# KiCad board Djinn.kicad_pcb (continued)
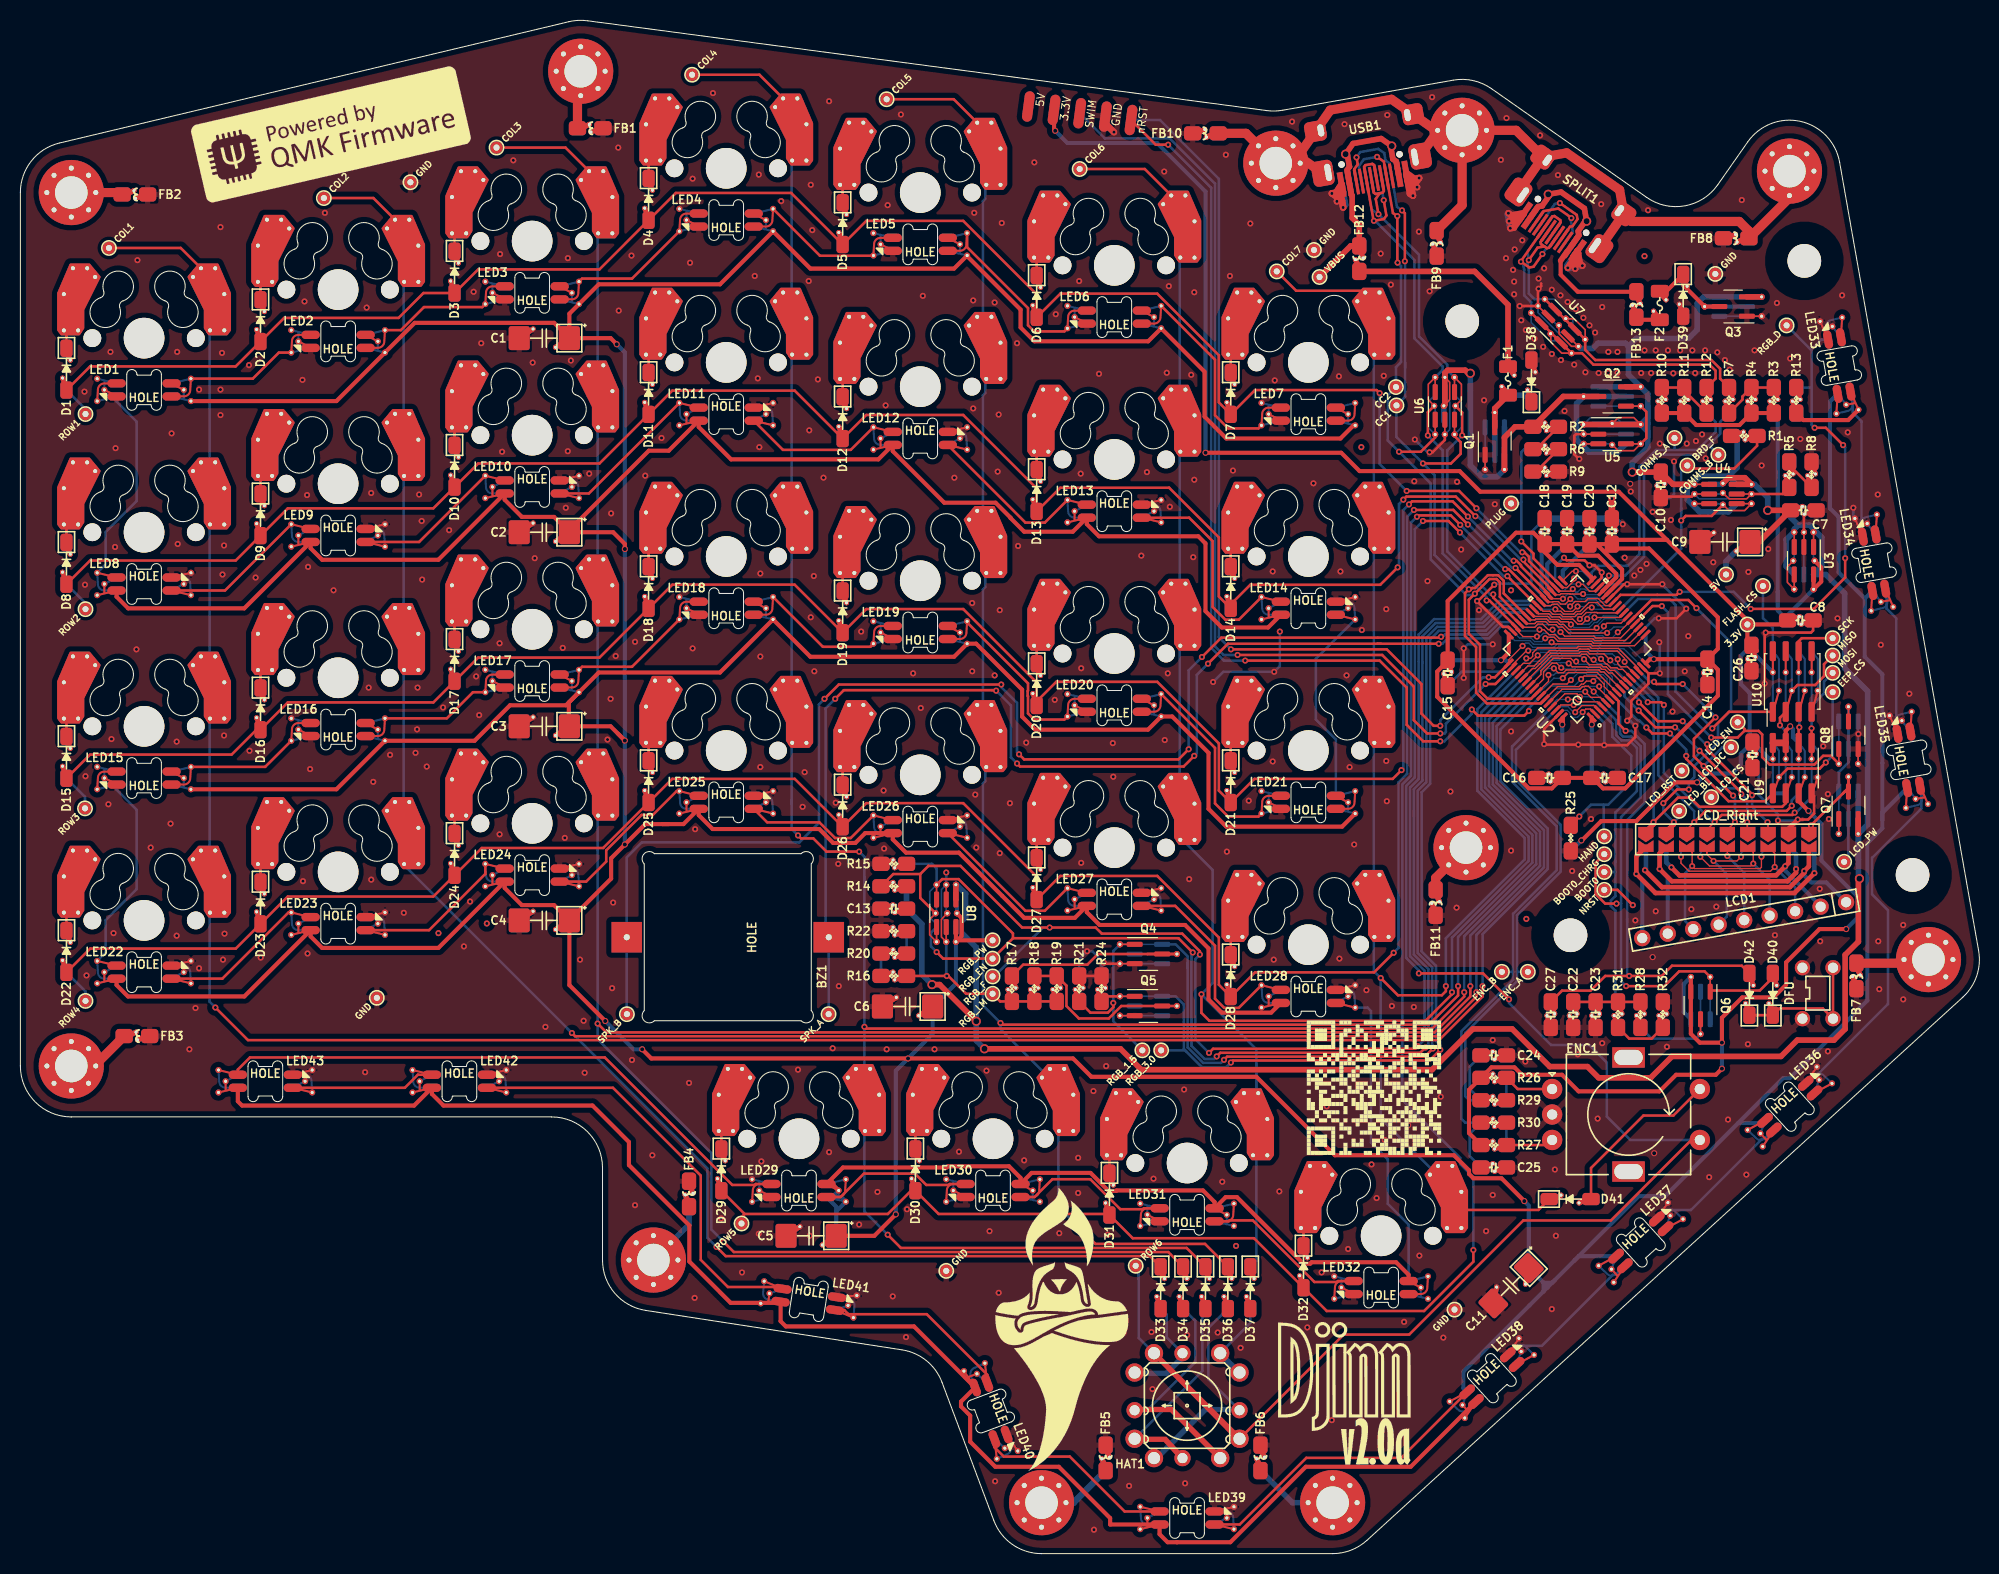
[diagram p0: board, top side]
## Routing (per net, layer and track width the routed paths; a pad name or vN(x,y) marks a point on that pad's centre or on a via; arc(x,y) is an arc through that point) (continued)
/SHIELD5: length 7.6
  Bottom w0.65: FB5.1 103.39,5 DRILL5.1
/SHIELD6: length 8.4
  Bottom w0.55: DRILL6.1 124.89,5 FB6.1
/SHIELD7: length 7.2
  Top w0.9: FB7.1 186.97,57.95 187.32,58.31
/SHIELD11: length 5.4
  Top w0.9: FB11.1 138.94,66.32 DRILL11.1
/SPLIT_COMMS_CONN+: length 43.3
  Top w0.25: 149.61,130.14 147.31,126.84 v1(147.31,126.81) 148.13,126.23 148.55,126.31 v1(149.42,127.56) ; 151.21,130.67 151.18,130.88 150.6,131.28 150.39,131.25 149.63,130.16 ; 150.43,129.56 151.19,130.65 ; U7.3 U7.4 153.3,117.82 154.43,116.7 165.83,116.7 166.42,116.11 166.42,115.33 R12.2
  Bottom w0.25: 147.37,126.76 v1(147.31,126.81) 147.5,126.67 147.61,126.06 147.63,126.04 147.63,123.49 148.32,122.81 U7.3 ; 149.4,127.54 149.82,128.13 149.85,128.13 ; 149.85,128.13 150.06,128.17 ; 149.85,128.13 149.28,128.54 149.24,128.74 150,129.83 ; 150.08,128.19 150.84,129.28
/SPLIT_COMMS_CONN-: length 41.6
  Top w0.25: 150,129.83 149.24,128.74 149.28,128.54 149.62,128.3 ; 150.84,129.28 150.08,128.19 ; 150.06,128.17 149.85,128.13 149.62,128.3 ; 149.62,128.3 148.94,128.18 ; 148.94,128.18 148.07,126.93 ; U7.1 U7.6 153.62,118.14 154.61,117.15 166.01,117.15 166.87,116.29 166.87,115.33 R7.2
  Bottom w0.25: 149.63,130.16 150.39,131.25 150.6,131.28 151.18,130.88 151.21,130.67 ; 151.19,130.65 150.43,129.56 ; v1(148.09,126.95) 147.94,127.76 149.61,130.14 ; v1(148.09,126.95) 148.04,126.88 ; v1(148.09,126.95) 147.95,126.75 148.09,125.95 148.09,123.67 148.64,123.13 U7.1
BOARD_NFAULT: length 40.9
  Top w0.127: v1(153.82,91.75) 153.3,91.24 152.88,91.24 152.41,91.71 151.3,91.71 151.08,91.94 150.35,91.94 150.05,92.24 149.03,92.24 U2.41
  Top w0.25: 170.49,109.7 170.49,108.73 168.26,106.5 163.94,106.5 TP7.1 ; v1(163.04,101.4) 163.49,101.85 166.04,101.85 U4.4
  Bottom w0.127: U1.41 157.08,92.47 156.89,92.28 154.86,92.28 154.77,92.37 154.3,92.37 153.82,91.89 v1(153.82,91.75)
  Bottom w0.25: 163.04,102.6 163.04,102.15 ; 163.04,102.6 163.04,106.2 TP7.1 ; 163.04,102.6 163.04,101.35 ; U1.41 163.04,98.64 163.04,101.35 ; 163.04,101.35 v1(163.04,101.4)
BOOT0: length 45.9
  Top w0.127: v1(153.1,84.09) 152.8,84.39 151.62,84.39 U2.61
  Top w0.25: C22.2 R31.2 159.04,54.15
  Bottom w0.127: U1.61 155.1,83.14 154.14,84.09 v1(153.1,84.09)
  Bottom w0.25: U1.61 156.66,81.78 156.66,80.33 157.17,79.82 157.96,79.82 158.7,79.08 158.7,74.85 156.59,72.75 156.59,67.95 ; 156.59,66.9 TP9.1 ; 156.59,66.9 156.59,64.55 156.14,64.1 156.14,63.55 156.59,63.1 156.59,54.4 R31.2 ; 156.59,66.9 156.59,67.95 ; 156.59,67.95 156.59,67.95
BOOT0_CHRG: length 60.7
  Top w0.127: v1(154.45,84.61) 153.93,85.14 153.61,85.14 153.56,85.09 153.36,85.09 153.11,84.84 151.36,84.84 U2.60
  Top w0.25: Q6.1 165.34,57.15 162.85,57.15 161.4,55.7 v1(157.64,55.7) ; TP11.1 154.64,67.8 154.64,64.74 155.58,63.8 v1(156.69,63.8) ; 172.04,56.55 170.76,55.27 166.01,55.27 Q6.1
  Bottom w0.127: U1.60 155.58,83.49 v1(154.45,84.61)
  Bottom w0.25: 157.14,63.8 v1(156.69,63.8) ; 157.14,63.8 157.14,72.3 159.07,74.23 159.07,79.24 158.11,80.2 157.33,80.2 157.04,80.49 157.04,82.11 U1.60 ; 157.14,63.8 157.14,56.2 v1(157.64,55.7)
CC1: length 107.7
  Top w0.127: U2.59 150.91,85.09 153,85.09 153.26,85.34 153.46,85.34 153.75,85.64 v1(154.42,85.64) ; U2.43 148.23,91.64 148.67,91.64 148.77,91.74 149.84,91.74 150.14,91.43 150.87,91.43 151.1,91.2 151.51,91.2 152,90.71 154.59,90.71 v1(154.75,90.86)
  Top w0.25: v1(131.17,137.04) 131.29,136.36 130.94,135.87 USB1.B5 ; v1(137.69,107) 140.44,107 141.39,107.95 141.39,109.09 140.79,109.69 U6.3 ; v1(135.92,126.84) 135.92,131.56 v1(135.64,131.84) ; U2.43 145.62,94.24 145.62,95.48 145.08,96.03 144.07,96.03 142.81,94.77 142.53,94.77 142.4,94.65 v1(142.2,94.65) 141.82,94.26 141.82,90.08 142.91,88.98 142.91,84.5 143.97,83.45 149.26,83.45 U2.59
  Bottom w0.127: v1(154.42,85.64) 154.72,85.94 155.35,85.94 155.51,85.77 155.51,84.35 U1.59 ; v1(154.75,90.86) 154.75,91.01 155.51,91.77 156.53,91.77 156.67,91.63 157.45,91.63 U1.43
  Bottom w0.25: v1(142.2,94.65) 138.83,98.01 138.83,103.91 ; 137.54,107.15 135.09,109.6 TP39.1 135.94,113.55 135.94,116.85 ; 137.54,107.15 v1(137.69,107) ; 137.54,107.15 138.83,105.86 138.83,103.91 ; 138.83,103.91 138.83,105.29 ; 135.94,116.85 135.94,116.39 ; 135.94,116.85 135.94,126.82 v1(135.92,126.84) ; v1(135.64,131.84) 135.15,132.18 USB1.B5 134.39,136.48 134.02,136.74 133.89,137.47 133.31,137.87 131.54,137.56 v1(131.17,137.04)
CC2: length 103.3
  Top w0.127: 147.54,91.62 U2.44 147.88,91.28 148.67,91.28 148.88,91.48 149.73,91.48 150.04,91.18 150.76,91.18 150.99,90.94 151.41,90.94 151.98,90.37 155.77,90.37 v1(155.77,90.37) ; v1(150.02,86.24) 150.02,85.62 U2.57 148.95,84.44
  Top w0.25: U6.1 138.89,109.55 137.49,108.15 v1(135.34,108.15) ; v1(135.2,126.71) 135.18,126.74 v1(135.18,131.28) 134.75,131.58 USB1.A5 133.86,136.63 v1(133.19,137.09) ; U2.57 148.3,83.9 144.04,83.9 143.29,84.65 143.29,89.2 142.19,90.3 142.19,93.62 v1(142.79,94.22) 144.22,95.65 144.92,95.65 145.25,95.33 145.25,93.91 U2.44
  Bottom w0.127: v1(150.02,86.24) 150.54,86.24 150.73,86.43 152.53,86.43 152.88,86.78 153.66,86.78 153.91,86.53 155.47,86.53 156.02,85.98 156.02,85.26 U1.57 ; v1(155.77,90.37) 156.07,90.67 156.15,90.67 156.42,90.94 157.46,90.94 U1.44
  Bottom w0.25: USB1.A5 131.4,136.16 131.89,136.86 v1(133.19,137.09) ; 135.29,108.2 138.46,105.04 138.46,97.58 141.95,94.08 142.65,94.08 v1(142.79,94.22) ; 135.29,108.2 v1(135.34,108.15) ; 135.29,108.2 134.24,109.25 134.24,113.7 TP41.1 135.04,116.45 135.54,116.95 135.54,126.37 v1(135.2,126.71)
COL1: length 253.7
  Top w0.127: U2.8 154.8,86.48 151.97,86.48 v1(151.42,85.93)
  Top w0.25: TP10.1 15.74,128.15 SW1.2 ; v1(19.14,53.6) 22.34,50.4 139.27,50.4 143.54,54.68 v1(143.54,55.7)
  Bottom w0.127: U1.8 149.16,84.55 150.54,85.93 v1(151.42,85.93)
  Bottom w0.25: v1(143.54,55.7) 143.54,60.8 149.94,67.2 149.94,71.17 145.31,75.8 145.31,80.9 U1.8 ; SW1.2 SW8.2 SW15.2 18.57,69.49 SW22.2 18.57,54.18 v1(19.14,53.6)
COL2: length 302.3
  Top w0.127: v1(150.55,86.88) 150.97,86.46 151.49,86.46 151.76,86.73 154.97,86.73 155.17,86.53 155.45,86.53 U2.9
  Top w0.25: v1(54.14,51.1) 54.47,50.78 139.05,50.78 142.94,54.68 v1(142.94,55.1) ; SW2.2 34.65,133.05 TP12.1 ; D33.1 110.89,29.2 69.24,29.2 v1(68.34,30.1)
  Bottom w0.127: v1(150.55,86.88) 149.94,86.88 149.53,86.47 149.53,85.84 U1.9
  Bottom w0.25: 53.74,51.5 67.44,37.8 67.44,31 v1(68.34,30.1) ; 53.74,51.5 37.62,67.63 SW23.2 SW16.2 37.62,93.3 SW9.2 SW2.2 ; 53.74,51.5 v1(54.14,51.1) ; v1(142.94,55.1) 142.94,60.73 149.57,67.36 149.57,71.01 144.93,75.65 144.93,81.23 U1.9
COL3: length 300.1
  Top w0.127: U2.10 156.26,86.44 155.92,86.44 155.57,86.79 155.27,86.79 155.07,86.99 153.81,86.99 153.77,87.03 152.34,87.03 v1(152,87.37)
  Top w0.25: D34.1 112.69,29.6 70.04,29.6 v1(69.04,30.6) ; v1(142.34,55.7) 142.34,54.68 138.82,51.15 57.54,51.15 v1(56.67,52.02) ; TP13.1 53.51,138 SW3.2
  Bottom w0.127: v1(152,87.37) 151.93,87.45 151.21,87.45 151.19,87.44 150.14,87.44 149.28,86.58 149.28,86.29 U1.10
  Bottom w0.25: v1(142.34,55.7) 142.34,60.67 149.19,67.51 149.19,70.85 144.55,75.49 144.55,81.56 U1.10 ; v1(69.04,30.6) 67.84,31.8 67.84,39.3 56.67,50.48 v1(56.67,52.02) SW24.2 56.67,79.01 SW17.2 SW10.2 SW3.2
COL4: length 269.1
  Top w0.127: v1(153.51,87.78) 154.04,87.24 155.18,87.24 155.38,87.04 155.68,87.04 156.03,86.69 156.5,86.69 157.58,85.61 U2.11
  Top w0.25: v1(82.34,68.9) 79.14,68.9 77.84,70.2 76.63,70.2 v1(76.34,70.49) ; v1(82.86,51.71) 83.04,51.53 138.6,51.53 141.74,54.68 v1(141.74,55.1) ; TP15.1 72.56,145.15 SW4.2 ; D35.1 114.49,30 86.44,30 v1(85.14,31.3)
  Bottom w0.127: U1.11 147.95,85.61 150.03,87.69 151.1,87.69 151.46,88.05 153.23,88.05 v1(153.51,87.78)
  Bottom w0.25: v1(82.34,68.9) 82.86,68.38 82.86,65.88 ; U1.11 144.17,81.89 144.17,75.34 148.81,70.7 148.81,67.67 141.74,60.6 v1(141.74,55.1) ; 75.72,73.53 75.72,74.03 ; 75.72,74.03 SW25.2 SW18.2 SW11.2 SW4.2 ; 75.72,74.03 75.72,71.12 v1(76.34,70.49) ; 82.86,65.88 82.86,66.38 ; 82.86,65.88 v1(82.86,51.71) 82.86,33.58 v1(85.14,31.3)
COL5: length 233.9
  Top w0.127: v1(155.17,87.82) 155.69,87.3 155.78,87.3 156.13,86.94 156.74,86.94 156.9,86.78 157.32,86.78 U2.12
  Top w0.25: v1(141.14,55.7) 141.14,54.79 138.27,51.91 96.39,51.91 v1(96.22,52.08) ; TP17.1 91.63,142.75 SW5.2 ; D36.1 116.29,30.4 105.54,30.4 v1(103.94,32)
  Bottom w0.127: U1.12 148.9,87.33 149.31,87.33 149.92,87.94 150.99,87.94 151.35,88.31 154.6,88.31 155.09,87.82 v1(155.17,87.82)
  Bottom w0.25: SW5.2 94.49,138.38 94.49,134.44 94.72,134.21 94.72,132.96 94.49,132.73 94.49,115.39 94.72,115.16 94.72,113.91 94.49,113.68 94.49,96.34 94.72,96.11 94.72,94.86 94.49,94.63 94.49,77.29 94.72,77.06 94.72,75.81 94.49,75.58 94.49,53.81 v1(96.22,52.08) 96.22,51.48 SW30.2 101.91,34.03 v1(103.94,32) ; U1.12 143.8,82.22 143.8,75.18 148.44,70.54 148.44,67.82 141.14,60.53 v1(141.14,55.7)
COL6: length 201.6
  Top w0.127: v1(156.81,87.78) 156.81,87.35 157.13,87.04 157.78,87.04 U2.13
  Top w0.25: SW6.2 110.38,135.9 TP19.1 ; v1(140.54,55.1) 140.54,54.9 137.94,52.3 116.72,52.3 115.94,53.08 v1(115.94,54.9)
  Bottom w0.127: v1(156.81,87.78) 156.28,88.31 154.95,88.31 154.71,88.56 151.25,88.56 150.89,88.2 149.82,88.2 149.2,87.58 148.45,87.58 U1.13
  Bottom w0.25: D37.1 121.34,28.75 121.34,48.05 ; v1(140.54,55.1) 140.54,60.47 148.06,67.98 148.06,70.39 143.42,75.02 143.42,82.55 U1.13 ; 121.34,48.05 121.34,49.5 v1(115.94,54.9) 117.04,56 117.04,67.1 113.82,70.33 SW27.2 SW20.2 SW13.2 113.82,129.31 SW6.2 ; 121.34,48.05 121.34,43.78 SW31.2
COL7: length 167.8
  Top w0.127: U2.14 158.85,86.88 156.88,88.85 154.24,88.85 154.06,89.03 152.95,89.03 152.8,88.88 148.95,88.88 148.47,88.4 148.47,88.07 148.27,87.87 v1(147.84,87.87)
  Top w0.25: 150.09,34.8 149.03,33.73 SW32.2 ; TP21.1 125.24,123.95 131.86,123.95 SW7.2 ; v1(139.94,55.7) 139.94,55.2 139.54,54.8 135.24,54.8 v1(133.54,56.5)
  Bottom w0.127: v1(147.84,87.87) 147.84,87.67 146.84,86.67 U1.14
  Bottom w0.25: v1(139.94,55.7) 139.94,60.4 147.68,68.14 147.68,70.23 143.04,74.87 143.04,82.89 U1.14 ; SW7.2 132.87,121.98 132.87,57.18 v1(133.54,56.5) 133.54,42.73 SW32.2
CURR_1500mA_OK: length 117.1
  Top w0.127: v1(154.53,91.88) 156.99,91.88 U2.23 157.45,92.33
  Top w0.25: v1(107.29,54.05) 107.29,53.63 106.76,53.1 105.05,53.1 R21.1 ; v1(118.16,48.47) 118.47,48.78 137.88,48.78 v1(138.67,49.57)
  Bottom w0.127: v1(154.53,91.88) 154.53,91.75 154,91.22 152.88,91.22 152.17,91.94 150.35,91.94 150.34,91.95 148.62,91.95 U1.23
  Bottom w0.25: v1(138.67,49.57) 138.67,49.87 138.6,49.94 138.6,57.53 137.18,58.95 137.18,74.88 138.02,75.72 138.02,89.89 139.1,90.97 143.71,90.97 145.49,92.75 147.82,92.75 U1.23 ; TP26.1 107.29,52.25 v1(107.29,54.05) 107.29,59.15 Q4.1 ; 114.59,57.45 114.59,49.68 116.11,48.17 117.86,48.17 v1(118.16,48.47) ; 114.59,57.45 114.59,58.62 113.41,59.8 Q4.1 ; 114.59,57.45 114.59,57.98
CURR_3000mA_OK: length 101.6
  Top w0.127: v1(155.46,91.02) 155.76,91.32 157.14,91.32 U2.22
  Top w0.25: v1(139.39,49.45) 138.34,48.4 119.04,48.4 v1(118.84,48.2) ; R24.1 106.64,54.7 Q5.1
  Bottom w0.127: v1(155.46,91.02) 155.46,90.81 154.99,90.34 152.37,90.34 151.03,91.68 150.25,91.68 150.24,91.69 148.72,91.69 148.67,91.64 148.23,91.64 U1.22
  Bottom w0.25: 114.49,49.25 114.34,49.4 TP28.1 ; 114.49,49.25 116,47.75 118.38,47.75 v1(118.84,48.2) ; 114.49,49.25 114.22,49.53 114.22,53.89 113.41,54.7 Q5.1 ; U1.22 147.49,92.37 145.65,92.37 143.87,90.59 139.26,90.59 138.4,89.73 138.4,75.57 137.56,74.72 137.56,59.1 138.98,57.68 138.98,50.32 139.39,49.9 v1(139.39,49.45)
CURR_LIM: length 19.2
  Top w0.25: R19.1 R18.1 R17.1 96.19,54.2 TP30.1 92.84,54.95 91.09,56.7 v1(90.94,56.7) R16.1
  Bottom w0.25: U8.5 90.89,56.75 v1(90.94,56.7)
D+: length 73.4
  Top w0.127: U2.46 146.83,90.7 147.52,90.01 v1(148.88,90.01)
  Top w0.25: U2.46 146.83,90.94 144.22,93.55 v1(143.94,93.55) ; USB1.A6 132.9,136.28 132.73,136.4 132.04,136.28 131.92,136.11 USB1.B6 132.85,130.84 v1(132.88,130.82) 133.86,130.99 134.11,131.34 v1(133.84,132.84) ; U6.6 138.17,112.03 v1(138.17,109.75)
  Bottom w0.127: v1(148.88,90.01) 149.17,90.01 149.5,90.33 149.95,90.33 150.26,90.02 150.49,90.02 150.92,89.58 155.13,89.58 155.33,89.37 157.31,89.37 U1.46
  Bottom w0.25: v1(133.84,132.84) 133.72,133.55 133.74,133.58 ; 133.74,133.58 133.04,133.46 132.87,133.58 USB1.A6 ; 133.74,133.58 133.86,133.75 USB1.B6 ; v1(138.17,109.75) 139.63,108.29 139.63,98.17 143.94,93.85 v1(143.94,93.55) ; 132.95,130.83 v1(132.88,130.82) 133.01,130.82 136.86,126.96 136.86,119.28 139.63,116.51 139.63,116.19 U6.6
D-: length 71.1
  Top w0.127: U2.45 147.54,90.91 148.66,90.91 148.98,91.23 149.45,91.23 149.99,90.69 v1(150.42,90.69)
  Top w0.25: 133.45,133.53 133.74,133.58 133.86,133.75 USB1.B7 ; 133.45,133.53 133.06,132.97 v1(133.32,131.46) ; 133.45,133.53 133.04,133.46 132.87,133.58 USB1.A7 ; U6.4 141.54,112 v1(141.54,109.75) ; U2.45 147.18,91.27 144.59,93.85 v1(144.59,94.15)
  Bottom w0.127: U1.45 156.86,89.63 155.44,89.63 155.23,89.83 151.1,89.83 150.42,90.51 v1(150.42,90.69)
  Bottom w0.25: v1(141.54,109.75) 140.08,108.29 140.08,105.63 140.08,98.36 144.29,94.15 v1(144.59,94.15) ; USB1.A7 132.9,136.28 132.73,136.4 132.04,136.28 131.92,136.11 USB1.B7 132.65,131.93 v1(133.32,131.46) ; v1(133.32,131.46) 137.31,127.48 137.31,119.46 140.08,116.69 140.08,116.16 U6.4 ; v1(133.32,131.46) 133.34,131.39
EEP_CS: length 42.9
  Top w0.127: U2.58 150.45,85.35 151.83,85.35 v1(152.22,85.74)
  Top w0.25: v1(177.24,77.65) 176.64,77.05 173.49,77.05 U9.1 ; U9.1 171.29,73.85 167.7,73.85 163.54,78 v1(163.54,78.3) ; v1(161.94,80.5) 160.21,80.5 v1(159.63,81.08)
  Bottom w0.127: v1(152.22,85.74) 152.91,86.43 153.66,86.43 153.8,86.28 155.36,86.28 155.76,85.88 155.76,84.81 U1.58
  Bottom w0.25: v1(163.54,78.3) 163.54,78.9 v1(161.94,80.5) ; 177.92,84.75 177.92,78.32 v1(177.24,77.65) ; U1.58 158.77,81.8 158.91,81.8 v1(159.63,81.08)
ENC_A: length 58.4
  Top w0.127: U2.3 154.51,83.24 153.3,83.24 v1(152.64,82.58)
  Bottom w0.127: U1.3 151.07,83.14 151.92,83.14 152.48,82.58 v1(152.64,82.58)
  Bottom w0.25: 146.92,57.12 146.92,56.18 141.84,51.1 141.84,44.9 142.24,44.5 R29.1 ; 146.92,57.12 146.94,57.1 148.04,57.1 ; 146.92,57.12 146.92,62.64 151.2,66.93 151.2,71.54 146.82,75.92 146.82,78.88 U1.3 ; 143.39,44.5 142.29,45.6 142.29,47.8 C24.1
ENC_B: length 61.9
  Top w0.127: v1(151.92,83.84) 152.64,83.84 152.87,83.6 154.85,83.6 U2.4
  Bottom w0.127: U1.4 150.36,83.35 150.85,83.84 v1(151.92,83.84)
  Bottom w0.25: 146.54,57.1 146.54,62.8 150.83,67.08 150.83,71.38 146.44,75.77 146.44,79.21 U1.4 ; 146.54,57.1 TP49.1 ; 146.54,57.1 146.54,56.33 141.47,51.26 141.47,42.68 141.84,42.3 R30.1 142.29,41.2 142.29,39 C25.1
FLASH_CS: length 43.3
  Top w0.127: U2.42 148.58,91.99 149.94,91.99 150.25,91.68 150.97,91.68 151.2,91.46 151.95,91.46 v1(152.21,91.2)
  Top w0.25: v1(166.1,80.99) 167.74,82.62 U10.1
  Bottom w0.127: U1.42 157.02,91.91 156.75,91.91 156.64,92.02 155.4,92.02 154.77,91.39 154.53,91.39 154.04,90.9 152.51,90.9 v1(152.21,91.2)
  Bottom w0.25: TP46.1 171.07,91.82 172.04,90.85 U10.1 ; v1(166.1,80.99) 162.49,84.6 162.49,93.1 161.89,93.7 158.81,93.7 U1.42
LCD_BL_PWM: length 52.9
  Top w0.127: U2.21 156.96,90.44 v1(156.82,90.44)
  Top w0.203: 161.57,70.83 161.57,71.04 v1(162.32,71.79)
  Top w0.25: v1(161.29,73.65) 162.64,75 v1(163.79,75) ; U2.21 160.12,93.6 163.74,93.6 v1(164.54,92.8)
  Top w0.45: J3.3 162.32,71.57 v1(162.32,71.79)
  Bottom w0.127: v1(156.82,90.44) 156.26,89.88 155.54,89.88 155.34,90.09 152.27,90.09 150.92,91.43 150.14,91.43 150.14,91.43 148.83,91.43 148.67,91.28 147.88,91.28 U1.21 147.2,91.96 ; 162.31,71.79 v1(162.32,71.79)
  Bottom w0.203: 161.57,70.83 161.57,71.04 v1(162.32,71.79)
  Bottom w0.25: v1(163.79,75) 163.79,75.67 164.33,76.21 164.33,77.29 166.66,79.61 166.66,81.49 167.94,82.78 167.94,89.4 v1(164.54,92.8) ; TP42.1 162.84,72.31 v1(162.32,71.79) 161.29,72.82 v1(161.29,73.65)
  Bottom w0.45: J3.3 162.32,71.57 v1(162.32,71.79)
LCD_CS: length 39
  Top w0.127: U2.55 149.28,86.29 149.28,86.67 150.47,87.86 152.21,87.86 152.51,87.56 v1(152.73,87.56) ; v1(171.52,71.79) 171.57,71.75 171.57,70.83
  Top w0.25: v1(163.19,81.7) 160.74,81.7 v1(158.89,83.55) ; v1(170.01,74.43) 170.01,74.54 165.59,78.95 v1(165.59,79.45)
  Bottom w0.127: U1.55 157.44,85.28 155.68,87.04 154.12,87.04 153.87,87.29 153.01,87.29 v1(152.73,87.56) ; 171.57,70.83 171.57,71.75 v1(171.52,71.79)
  Bottom w0.25: v1(163.19,81.7) 165.45,79.45 v1(165.59,79.45) ; U1.55 158.89,83.8 v1(158.89,83.55) ; TP36.1 166.85,75.1 169.34,75.1 v1(170.01,74.43) 170.01,73.31 v1(171.52,71.79)
LCD_DC: length 42.5
  Top w0.127: U2.51 147.54,87.38 148.17,87.38 v1(148.96,88.16) ; 167.57,70.83 167.57,71.04 v1(168.32,71.79) 168.52,71.79
  Top w0.25: 165.22,77.32 v1(165.24,77.3) ; 165.22,77.32 164.29,78.25 164.29,79.96 v1(166.41,82.08) ; 165.22,77.32 v1(168.14,74.4) ; v1(160.38,85.57) 160.6,85.35 v1(163.19,85.35)
  Bottom w0.127: v1(148.96,88.16) 149.25,88.45 150.78,88.45 151.14,88.82 154.81,88.82 155.06,88.57 157.17,88.57 158.85,86.88 U1.51 ; 167.57,70.83 167.57,71.04 v1(168.32,71.79)
  Bottom w0.25: TP38.1 167.09,79.15 v1(165.24,77.3) ; v1(166.41,82.08) 166.41,82.13 v1(163.19,85.35) ; v1(168.14,74.4) 168.32,74.22 v1(168.32,71.79) ; U1.51 159.95,85.57 v1(160.38,85.57)
LCD_EN: length 48.3
  Top w0.127: U2.20 157.11,89.88 154.65,89.88 154.48,90.05 151.6,90.05 v1(151.2,90.45)
  Top w0.25: 169.25,80.75 170.64,80.75 171,80.4 171,78.18 171.73,77.45 176.12,77.45 176.98,78.3 177.74,78.3 Q8.1 ; 169.25,80.75 169.25,80.95 TP34.1 ; 169.25,80.75 168.59,80.1 v1(165.99,80.1) ; v1(161.14,93) 160.23,93 U2.20
  Bottom w0.127: v1(151.2,90.45) 151.2,90.67 150.69,91.18 150.04,91.18 150.03,91.18 148.93,91.18 148.68,90.93 147.52,90.93 U1.20
  Bottom w0.25: v1(165.99,80.1) 161.74,84.35 161.74,92.4 v1(161.14,93)
LCD_L1_R9: length 31.5
  Top w0.45: v1(176.12,66.79) 174.17,64.84 160.52,64.84 v1(158.65,66.72) 158.65,68.44 J3.2
  Bottom w0.4: LCD1.9 159.22,66.14 v1(158.65,66.72)
  Bottom w0.45: J2.2 176.12,68.83 v1(176.12,66.79)
LCD_L2_R8: length 26.2
  Top w0.45: v1(174.32,67.19) 174.32,66.83 173.49,65.99 162.12,65.99 v1(160.92,67.19) 160.92,68.72 J3.4
  Bottom w0.4: LCD1.8 161.73,66.39 v1(160.92,67.19)
  Bottom w0.45: J2.4 174.32,68.63 v1(174.32,67.19)
LCD_L3_R7: length 18.2
  Top w0.127: 163.57,69.38 164.12,68.82 v1(164.12,67.48) 164.36,67.24 170.8,67.24 170.92,67.37 v1(170.92,68.39)
  Bottom w0.127: 171.57,69.38 170.92,68.73 v1(170.92,68.39)
  Bottom w0.25: LCD1.7 163.43,62.09 163.43,66.78 v1(164.12,67.48)
LCD_L4_R6: length 13.1
  Top w0.127: J3.8 165.57,69.36 165.57,68.64 ; 165.57,68.64 v1(166.22,67.98) 168.51,67.98 v1(168.92,68.39) ; 165.57,68.64 165.57,68.88
  Bottom w0.127: v1(168.92,68.39) 168.92,68.73 169.57,69.38
  Bottom w0.25: v1(166.22,67.98) 167.53,66.68 167.53,62.53 LCD1.6
LCD_L5_R5: length 8.8
  Top w0.127: J3.10 v1(167.58,68.47)
  Bottom w0.127: J3.10 v1(167.58,68.47)
  Bottom w0.25: LCD1.5 169.23,66.82 v1(167.58,68.47)
LCD_L6_R4: length 14.6
  Top w0.127: J3.12 170.12,68.83 v1(170.12,67.73) 169.89,67.49 165.82,67.49 v1(164.92,68.39)
  Bottom w0.127: 170.12,67.73 v1(170.12,67.73) ; 165.57,69.38 164.92,68.73 v1(164.92,68.39)
  Bottom w0.25: v1(170.12,67.73) 171.73,66.12 LCD1.4
LCD_L7_R3: length 18.9
  Top w0.127: J3.14 172.22,68.73 v1(172.22,67.39) 171.82,66.99 163.8,66.99 163.02,67.77 v1(163.02,68.39)
  Bottom w0.127: v1(163.02,68.39) 163.02,68.83 163.57,69.38
  Bottom w0.25: LCD1.3 174.23,65.38 v1(172.22,67.39)
LCD_L8_R2: length 21.6
  Top w0.45: v1(162.08,67.35) 162.87,66.57 172.37,66.57 v1(173.26,67.46) 173.58,67.79 J3.16
  Bottom w0.4: v1(173.26,67.46) 173.26,67.04 176.73,63.56 LCD1.2
  Bottom w0.45: J2.16 161.58,67.86 v1(162.08,67.35)
LCD_L9_R1: length 27.6
  Top w0.45: J3.18 175.58,67.45 v1(175.12,66.99) 175.12,66.81 173.73,65.42 161.16,65.42 v1(159.49,67.08)
  Bottom w0.4: LCD1.1 177.3,65.88 175.82,65.88 175.12,66.57 v1(175.12,66.99)
  Bottom w0.45: v1(159.49,67.08) 159.58,67.17 J2.18
LCD_PWR: length 19.8
  Top w0.127: 175.57,70.83 175.78,71.04 v1(175.78,71.47)
  Top w0.25: 178.93,74.62 179.11,74.8 Q7.3 Q7.3 179.47,75.16 178.93,74.62 ; 178.93,74.62 v1(175.78,71.47)
  Top w0.45: v1(175.78,71.47) 175.78,71.03 J3.17
  Bottom w0.127: 175.57,70.83 175.78,71.04 v1(175.78,71.47)
  Bottom w0.25: Q7.3 Q7.3 179.47,68.32 TP33.1
  Bottom w0.45: v1(175.78,71.47) 175.78,71.03 J3.17
LCD_RST: length 35.5
  Top w0.127: v1(151.27,86.95) 150.83,87.4 150.36,87.4 149.53,86.56 149.53,85.84 U2.56 ; 169.57,70.83 169.52,70.87 v1(169.52,71.79)
  Top w0.25: v1(158.87,82.75) 160.51,81.1 v1(162.44,81.1) ; v1(168.94,74.55) 168.94,74.7 v1(164.84,78.8)
  Bottom w0.127: U1.56 156.27,85.71 156.27,86.09 155.57,86.79 154.01,86.79 153.77,87.03 152.77,87.03 152.57,86.83 151.39,86.83 v1(151.27,86.95) ; v1(169.52,71.79) 169.57,71.75 169.57,70.83
  Bottom w0.25: v1(158.87,82.75) 157.48,84.13 157.48,84.51 U1.56 ; v1(169.52,71.79) 169.52,73.97 v1(168.94,74.55) ; TP40.1 164.84,78.6 v1(164.84,78.8) 162.54,81.1 v1(162.44,81.1)
MISO: length 58
  Top w0.127: U2.53 148.44,86.87 148.71,86.87 150.22,88.37 153.01,88.37 153.16,88.52 153.85,88.52 154.06,88.31 155.46,88.31 v1(156.09,87.68)
  Top w0.203: 159.57,70.83 159.57,71.04 v1(160.32,71.79)
  Top w0.25: 173.91,84.7 174.46,85.25 176.2,85.25 177.07,86.12 177.07,87.3 TP4.1 ; 173.31,74.63 173.31,73.65 172.96,73.3 164.84,73.3 163.94,74.2 162.73,74.2 v1(160.32,71.79) ; v1(172.74,81.3) 172.74,82.03 173.31,82.6
  Top w0.45: J3.1 160.32,71.57 v1(160.32,71.79)
  Bottom w0.127: v1(156.09,87.68) 156.5,87.26 156.84,87.26 U1.53
  Bottom w0.203: v1(160.32,71.79) 159.57,71.04 159.57,70.83
  Bottom w0.25: U9.2 173.31,80.73 v1(172.74,81.3) ; v1(160.32,71.79) 160.35,71.82 160.35,83.76 U1.53
  Bottom w0.45: J3.1 160.32,71.57 v1(160.32,71.79)
MOSI: length 51.5
  Top w0.127: U2.54 147.89,85.69 150.32,88.12 153.12,88.12 153.27,88.27 153.74,88.27 154.28,87.73 v1(154.45,87.73) ; 165.57,70.83 165.57,71.04 v1(166.32,71.79)
  Top w0.25: v1(161.34,83.3) 161.08,83.57 v1(159.76,83.57) ; v1(166.32,71.79) 167.03,72.5 173.96,72.5 v1(174.19,72.73) ; U9.5 175.85,81 v1(175.84,81)
  Bottom w0.127: v1(154.45,87.73) 154.85,87.33 155.54,87.33 155.57,87.3 155.78,87.3 156.22,86.86 156.54,86.86 U1.54 ; v1(166.32,71.79) 165.57,71.04 165.57,70.83
  Bottom w0.25: U10.5 175.85,83.21 177.07,84.43 177.07,85.6 TP6.1 ; 175.85,82.62 175.84,82.62 v1(175.84,81) ; v1(161.34,83.3) 161.34,76.63 166.18,71.79 v1(166.32,71.79) ; U1.54 159.76,83.64 v1(159.76,83.57) ; v1(174.19,72.73) 174.32,72.73 175.85,74.26 U9.5
NRST: length 162.3
  Top w0.127: U2.7 155.48,85.09 155.48,85.33 154.68,86.14 153.52,86.14 v1(153.22,85.84)
  Top w0.25: U2.7 156.89,83.68 156.89,81.45 v1(157.59,80.75) ; v1(148.09,82.7) 147.64,82.25 143.09,82.25 v1(142.49,82.85) ; C27.2 151.35,55.25 154.14,55.25 155.59,56.7 v1(157.94,56.7) 161.14,56.7 162.14,57.7 168.99,57.7 D42.2 ; v1(139.39,79.73) 137.71,79.73 136.09,81.35 136.09,85 133.44,87.65 v1(120.24,87.65) ; TP8.1 156.79,65.15 v1(158.29,63.65) ; v1(112.68,138.28) 111.46,138.28 J1.1
  Bottom w0.127: v1(153.22,85.84) 152.53,85.15 150.25,85.15 U1.7 149.3,84.18
  Bottom w0.25: 157.74,62.3 157.74,65.15 ; 157.74,62.3 157.74,56.9 v1(157.94,56.7) ; 157.74,62.3 157.74,62 ; 157.74,65.15 157.74,72 159.45,73.71 159.45,79.47 158.17,80.75 v1(157.59,80.75) ; 157.74,65.15 157.74,64.2 v1(158.29,63.65) ; v1(139.39,79.73) 139.8,79.73 142.49,82.42 v1(142.49,82.85) ; v1(112.68,138.28) 116.9,134.06 116.9,88.89 118.14,87.65 v1(120.24,87.65) ; U1.7 148.09,82.99 v1(148.09,82.7)
PIEZO_A: length 129.3
  Top w0.127: U2.18 158,89.36 154.45,89.36 154.27,89.54 150.97,89.54 150.57,89.94 149.81,89.94 v1(149.71,89.84)
  Top w0.25: v1(115.24,78.3) 114.19,77.25 98.14,77.25 v1(97.84,77.55) ; 133.59,89.31 133.25,89.31 ; 133.25,89.31 139.24,89.31 v1(139.24,89.3) ; 133.25,89.31 118.55,89.31 v1(116.59,87.35) ; v1(79.99,83.9) 80.84,84.75 95.39,84.75 95.75,84.75 v1(95.79,84.7)
  Bottom w0.127: v1(149.71,89.84) 149.38,89.52 148.65,89.52 148.29,89.87 147.16,89.87 U1.18
  Bottom w0.25: v1(79.99,83.9) 79.04,82.95 79.04,60.82 BZ1.1 79.36,52.97 TP35.1 ; v1(116.59,87.35) 115.49,86.25 115.49,78.55 v1(115.24,78.3) ; v1(95.79,84.7) 97.24,83.25 97.24,78.15 v1(97.84,77.55) ; v1(139.24,89.3) 139.6,89.3 140.14,89.83 144.18,89.83 145.39,91.05 145.99,91.05 U1.18
PIEZO_B: length 146.6
  Top w0.127: v1(149.14,90.69) 149.56,90.69 150.06,90.2 150.67,90.2 151.08,89.79 154.37,89.79 154.54,89.63 157.56,89.63 U2.19
  Top w0.25: v1(98.04,78.45) 98.54,77.95 113.69,77.95 v1(114.69,78.95) ; v1(96.29,85.3) 80.34,85.3 v1(78.94,83.9) ; v1(139.47,89.99) 139.38,89.9 133.24,89.9 117.89,89.9 v1(115.99,88)
  Bottom w0.127: 146.45,91.29 147.19,90.55 149,90.55 v1(149.14,90.69)
  Bottom w0.25: v1(115.99,88) 114.69,86.7 v1(114.69,78.95) ; U1.19 146.32,91.43 145.24,91.43 144.02,90.21 139.86,90.21 139.63,89.99 v1(139.47,89.99) ; v1(96.29,85.3) 96.29,85.05 97.84,83.5 97.84,78.65 v1(98.04,78.45) ; v1(78.94,83.9) 78.39,83.35 78.39,71.72 76.47,69.8 60.99,69.8 59.53,68.33 BZ1.2 59.53,52.97 TP37.1
PLUG_DETECT: length 25.5
  Top w0.127: v1(152.53,95.71) 152.53,95.49 151.85,94.82 151.41,94.82 U2.34 150.74,95.49
  Top w0.25: 148.49,108.4 148.79,108.4 R2.2 ; U2.34 148.54,97.69 148.54,98.15 v1(147.34,99.35)